# Altium PCB raijel_sim_v1.PcbDoc (part 2 of 2)
Units mm, origin at the board's own origin, x right, y up, seen from the top; angles counter-clockwise.
Board outline 140.34 x 99.31 mm, 2 copper layers (Top Layer, Bottom Layer); 152 components, 86 nets, 419 pads, 382 vias.
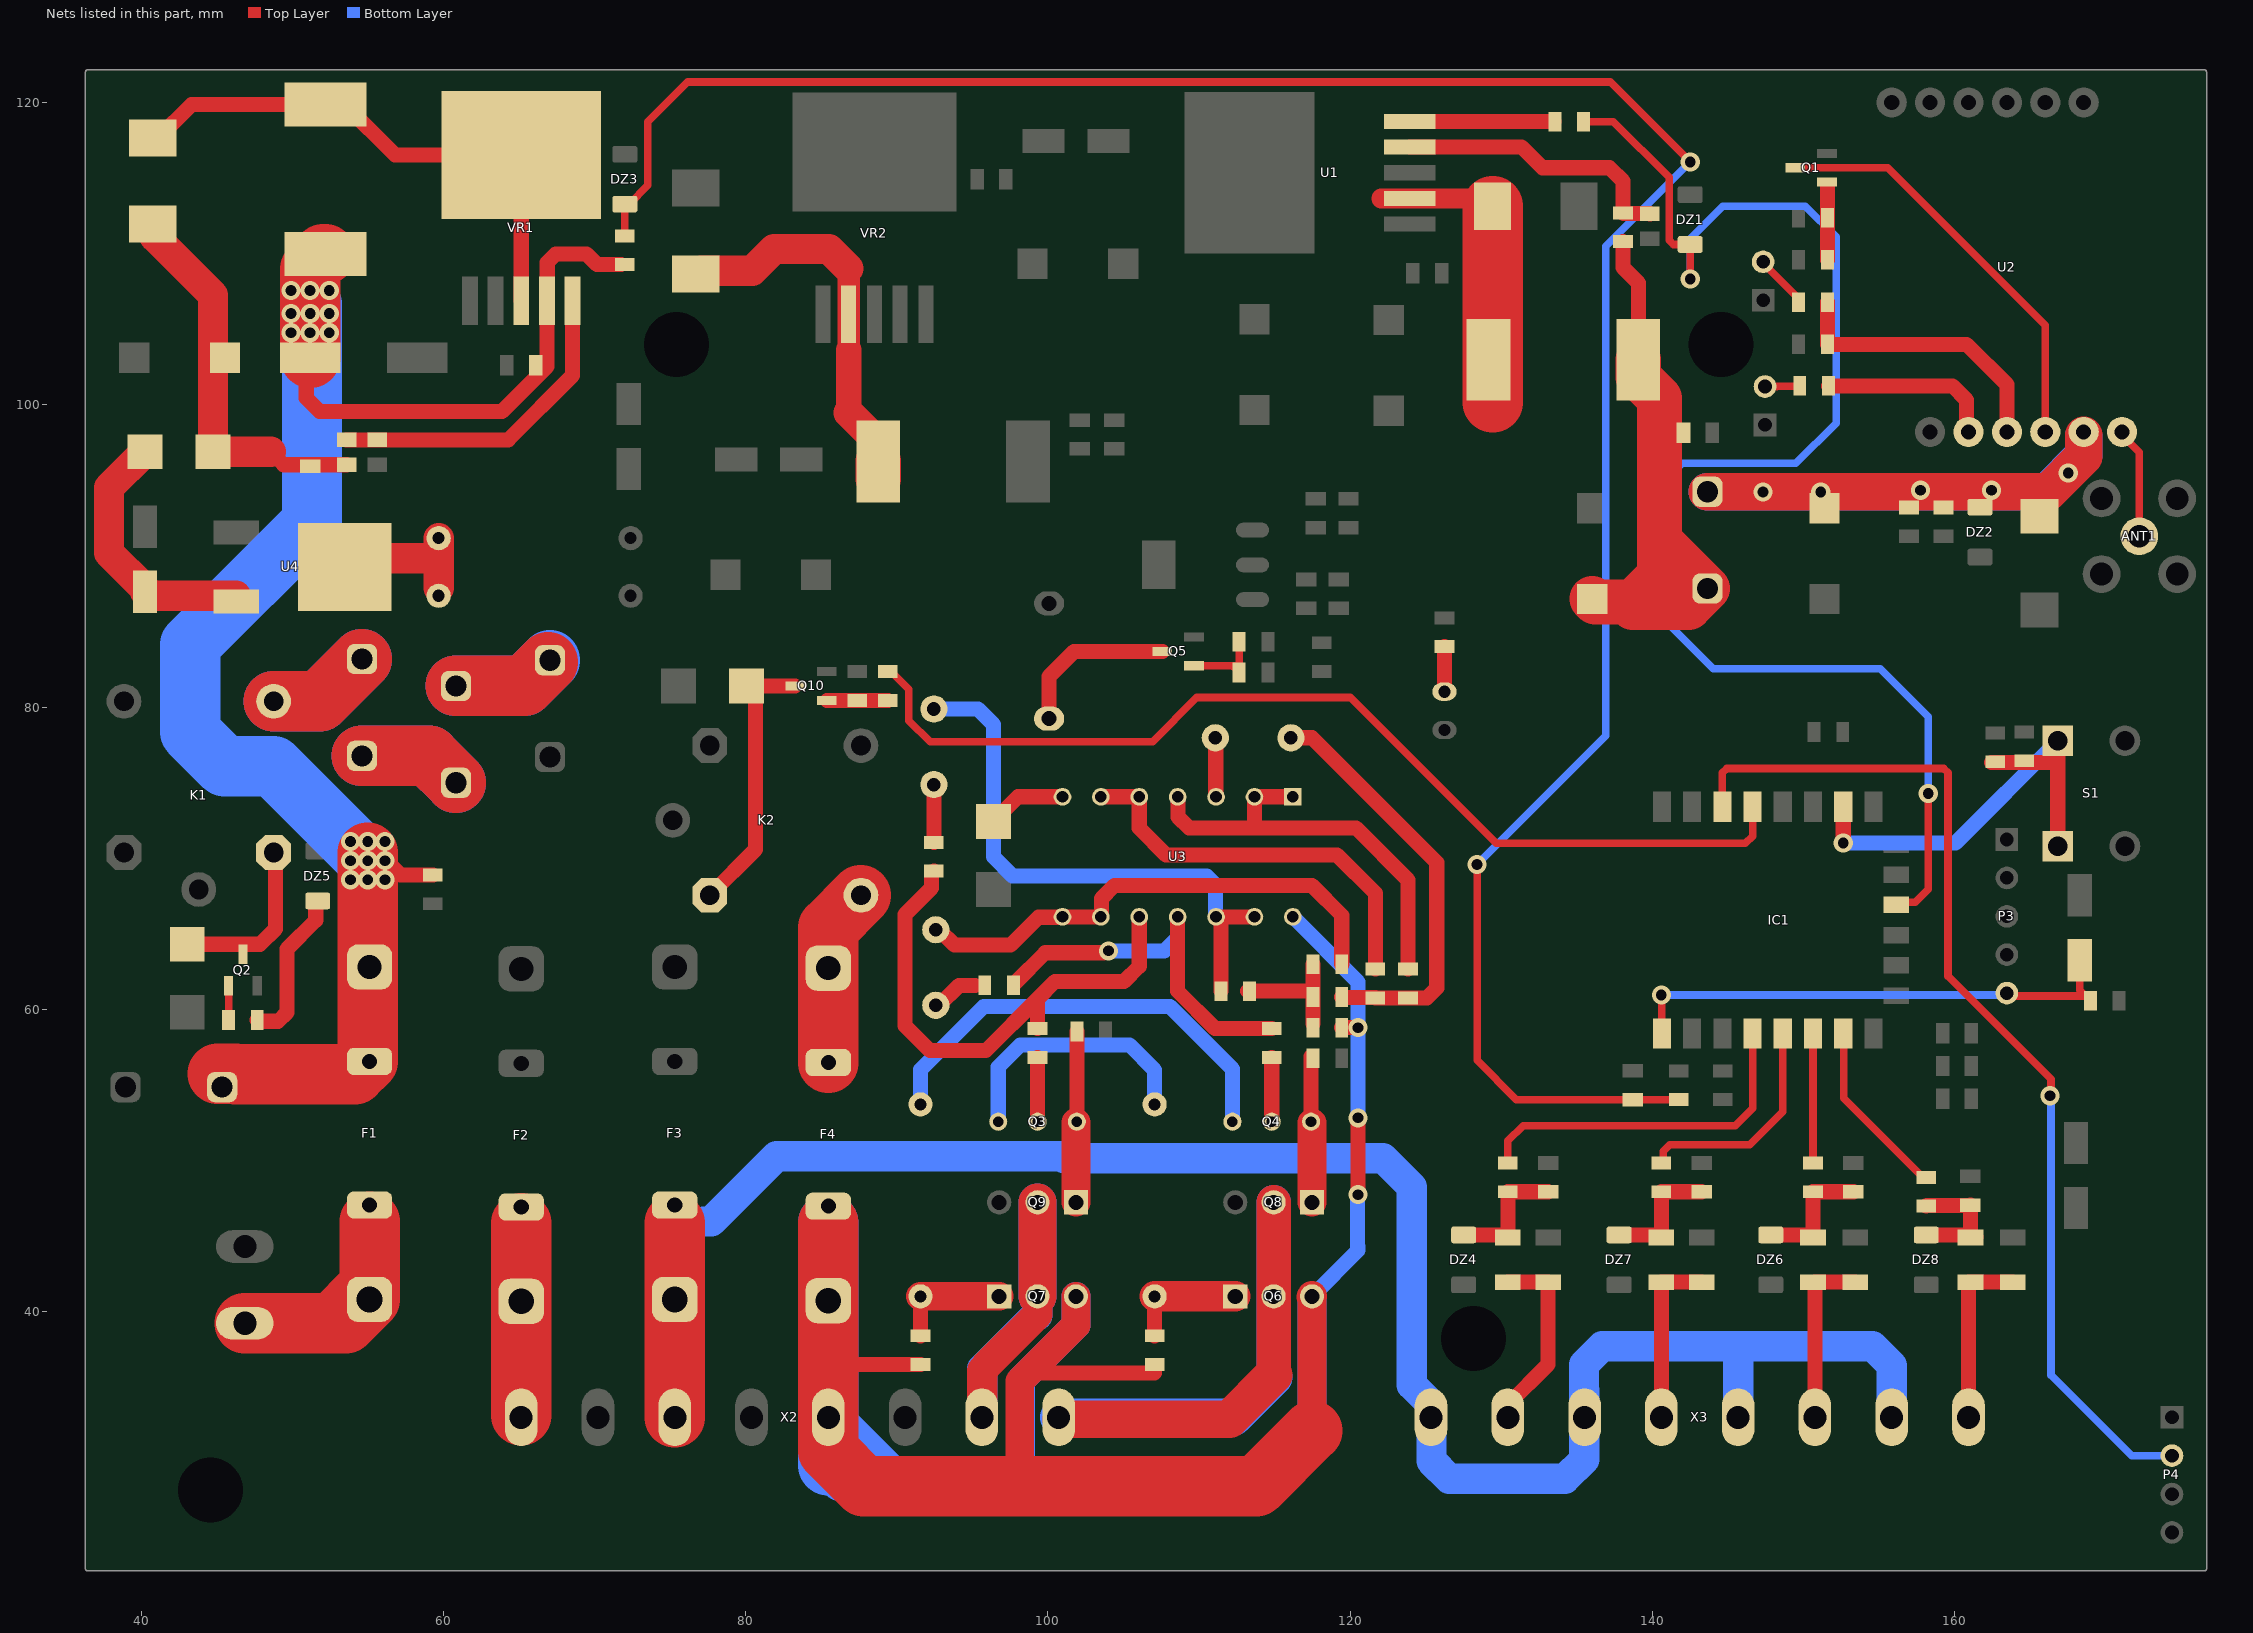
[diagram p2: the nets of this part, all layers, seen from the top]

## Via types
v1: diameter 1.5, hole 0.8, Top Layer to Bottom Layer, tented both sides, 281 vias
v2: diameter 1.27, hole 0.711, Top Layer to Bottom Layer, tented both sides, 101 vias

## Nets (pads, with @x,y where several pads share a name; then routed paths per layer and width w, separated by ;. In a path a pad name is that pad's centre, name@x,y a point inside that pad or via, vN(x,y) a via of type N, cw(c..) or ccw(c..) an arc to the next point about the centre after c; other vN are vias at no path point) (continued)
GPIO10: DZ1.2 IC1.12 R2.1 | length 98.1
  Top Layer w0.5: R2.1@135.443,118.745 137.414,118.745 141.097,115.062 141.097,110.91 141.39,110.617 DZ1.2@142.494,110.618 DZ1.2@142.494,110.618 v2(142.494,108.331) ; IC1.12@156.122,66.92 156.305,67.103 157.4,67.103 158.242,67.945 v2(158.242,74.295)
  Bottom Layer w0.5: v2@142.494,108.13 v2(142.494,108.331) 142.494,110.998 144.653,113.157 150.114,113.157 152.146,111.125 152.146,98.806 149.487,96.147 141.986,96.147 140.589,94.75 140.589,85.979 144.018,82.55 155.067,82.55 158.242,79.375 v2(158.242,74.295)
GPIO15: IC1.16 R7.1 R15.1 S1.1 | length 32.3
  Top Layer w0.5: IC1.16@152.654,72.944 152.654,72.793 152.794,72.933 152.831,73.404 152.831,73.406 IC1.16@152.876,73.988
  Top Layer w1: v2(152.622,71.025) IC1.16@152.622,73.42 ; R15.1@162.433,76.332 166.682,76.332 166.814,76.2 ; S1.1@166.751,70.739 S1.1@166.814,70.802 166.814,76.2 ; S1.1@166.814,77.787 166.814,76.2
  Bottom Layer w1: v2(152.622,71.025) 160.052,71.025 S1.1@166.814,77.787
NetC1_1: C1.1 C2.2 DP1.1 L1.1 R1.1 | length 38.3
  Top Layer w1: R1.1@138.049,110.81 138.049,109.093 139.065,108.077 L1.1@139.065,102.997
  Top Layer w3: C1.1@136.017,87.17 136.219,86.968 138.705,86.968 140.462,88.725 140.462,91.034 ; 138.705,86.614 142.392,86.614 DP1.1@143.637,87.859 140.462,91.034 ; L1.1@139.065,102.997 139.065,101.844 140.462,100.447 140.462,91.034
NetC6_2: C6.2 C7.2 C8.1 C9.1 DP1.2 DZ2.2 U2.2 | length 54.4
  Top Layer w2.5: DP1.2@143.637,94.259 165.623,94.259 166.198,94.259 168.529,96.59 U2.2@168.529,97.989
  Bottom Layer w2.5: DP1.2@143.637,94.259 165.574,94.259 166.141,94.259 168.529,96.647 U2.2@168.529,97.917
  other v2: 147.32,94.234 151.13,94.234 157.734,94.361 162.433,94.361 167.513,95.504
NetC15_1: C15.1 U3.3 | length 3.9
  Top Layer w1: C15.1@111.078,77.978 111.101,77.954 111.101,74.097 U3.3@111.125,74.074
NetC15_2: C15.2 R16.2 R17.2 R20.1 | length 27.9
  Top Layer w1: C15.2@116.078,77.978 117.475,77.978 125.73,69.723 125.73,61.433 125.069,60.772 R16.2@123.825,60.772 R17.2@121.666,60.772 ; R20.1@119.441,60.833 119.471,60.803 R17.2@121.666,60.803
NetC18_2: C18.2 DZ3.2 R18.1 R22.2 | length 160.4
  Top Layer w0.5: R18.1@71.834,111.186 72.009,111.361 DZ3.2@72.009,113.285 72.284,113.285 73.533,114.534 73.533,118.745 76.158,121.37 137.202,121.37 v2(142.494,116.078) ; v2(128.397,69.596) 128.397,56.642 130.998,54.041 C18.2@138.684,54.041 R22.2@141.732,54.041
  Bottom Layer w0.5: v2(128.397,69.596) 136.906,78.105 136.906,110.49 v2(142.494,116.078)
NetC19_1: C19.1 R21.2 U3.8 U3.9 | length 33.7
  Top Layer w1: C19.1@92.583,65.278 92.799,65.278 93.815,64.262 97.536,64.262 99.375,66.101 100.932,66.101 U3.8@100.965,66.134 U3.9@103.505,66.134 103.538,66.167 103.538,67.343 104.394,68.199 117.475,68.199 119.441,66.233 R21.2@119.441,62.992
NetC19_2: C19.2 R30.1 | length 3.2
  Top Layer w1: C19.2@92.583,60.278 92.799,60.278 94.116,61.595 95.189,61.595
NetC20_1: C20.1 R23.2 U3.12 U3.13 | length 38.3
  Top Layer w1: R23.2@111.445,61.214 111.445,65.768 111.125,66.088 U3.12@111.125,66.134 U3.13@113.665,66.134
  Bottom Layer w1: C20.1@92.456,79.883 95.377,79.883 96.393,78.867 96.393,70.104 97.663,68.834 110.507,68.834 111.092,68.248 111.092,66.167 U3.12@111.125,66.134
NetC20_2: C20.2 R31.1 | length 3.8
  Top Layer w1: R31.1@92.456,71.054 C20.2@92.456,74.883
NetC21_2: C21.2 DZ4.2 R24.1 R28.2 | length 8.7
  Top Layer w1: DZ4.2@127.508,45.084 129.929,45.084 130.104,44.909 R24.1@130.429,44.909 R28.2@130.429,47.945 C21.2@133.096,47.945
NetC22_1: C22.1 C23.2 D3.2 D6.1 R26.2 | length 25.4
  Top Layer w1: 48.58,96.901 49.438,96.043 R26.2@53.597,96.043
  Top Layer w2: D3.2@40.513,111.76 40.711,111.958 D3.2@40.767,111.958 ; D3.2@40.894,111.125 44.759,107.26 D6.1@44.759,96.901 48.58,96.901
NetC24_2: C24.2 DZ6.2 R34.1 R37.2 | length 8.6
  Top Layer w1: DZ6.2@147.828,45.084 150.122,45.084 150.297,44.909 R34.1@150.622,44.909 R37.2@150.622,47.945 C24.2@153.289,47.945
NetC25_1: C25.1 D6.2 U4.3 | length 17.5
  Top Layer w2: C25.1@40.259,87.639 C25.1@40.259,87.684 ; D6.2@40.259,96.901 37.876,94.518 37.876,90.222 40.259,87.839 C25.1@40.259,87.684 ; U4.3@46.287,87.377 40.459,87.377 40.459,87.484 C25.1@40.259,87.684
NetC32_2: C32.2 DZ7.2 R46.1 R50.2 | length 8.6
  Top Layer w1: DZ7.2@137.795,45.084 140.089,45.084 140.264,44.909 R46.1@140.589,44.909 R50.2@140.589,47.945 C32.2@143.256,47.945
NetC39_2: C39.2 DZ8.2 R51.1 R53.2 | length 8.1
  Top Layer w1: DZ8.2@158.115,45.084 R51.1@161.036,45.084 ; R53.2@158.115,46.995 158.146,47.026 161.005,47.026 C39.2@161.036,47.056 ; C39.2@161.036,46.736 R51.1@161.036,45.084 ; R51.1@161.417,44.958 161.368,44.909 161.061,44.909 161.036,44.934 R51.1@161.036,45.084
NetD1_2: D1.2 L1.2 U1.2 | length 20.8
  Top Layer w1: L1.2@129.159,102.997 L1.2@129.294,103.132
  Top Layer w1.3: 122.047,113.665 U1.2@123.952,113.665 D1.2@128.953,113.665
  Top Layer w1.5: D1.2@128.953,113.665 129.428,113.19 D1.2@129.428,113.157
  Top Layer w4: 129.428,100.188 D1.2@129.428,113.157
NetD2_1: D2.1 R5.2 | length 3
  Top Layer w1: D2.1@126.238,81.026 R5.2@126.238,84.013
NetD3_1: D3.1 L2.2 VR1.3 VR1.6 | length 36.4
  Top Layer w1: D3.1@40.706,117.719 D3.1@40.767,117.719 ; D3.1@40.767,117.658 41.117,117.658 43.347,119.888 L2.2@52.197,119.888 53.454,119.888 56.812,116.53 VR1.6@65.151,116.53 VR1.3@65.151,106.9
NetD4_1: D4.1 U3.7 | length 5.2
  Top Layer w1: D4.1@96.393,72.445 98.022,74.074 U3.7@100.965,74.074
NetD5_1: D5.1 K1.5 Q2.3 | length 11.4
  Top Layer w1: D5.1@43.053,64.317 43.561,64.317 47.878,64.317 48.895,65.334 48.895,70.264 K1.5@48.768,70.391
NetD7_1: D7.1 K2.5 Q10.3 | length 18.5
  Top Layer w1: K2.5@77.63,67.564 80.645,70.579 80.645,80.827 D7.1@80.065,81.407 Q10.3@83.278,81.407
NetD8_2: D8.2 L3.2 VR2.2 | length 25.9
  Top Layer w1.5: 86.814,109.02 86.814,106.381 86.819,106.376 86.819,103.632
  Top Layer w1.7: 86.819,99.477 86.819,103.632
  Top Layer w2: D8.2@76.835,108.656 77.06,108.881 80.436,108.881 81.87,110.315 85.519,110.315 86.814,109.02 ; 86.819,99.477 88.773,97.523 L3.2@88.773,96.266
  Top Layer w3: L3.2@88.773,95.113 L3.2@88.773,96.266
NetDP3_2: DP3.2 DP4.1 | length 13.7
  Top Layer w4: DP4.1@60.833,81.407 65.355,81.407 DP3.2@66.923,82.975
  Bottom Layer w4: DP4.1@60.833,81.407 65.355,81.407 DP3.2@67.056,83.108
NetDP4_2: DP4.2 DP5.1 | length 13.9
  Top Layer w4: DP5.1@54.61,76.785 59.055,76.785 DP4.2@60.833,75.007
  Bottom Layer w4: DP5.1@54.61,76.785 59.055,76.785 DP4.2@60.833,75.007
NetDP5_2: DP5.2 K1.3 | length 14
  Top Layer w4: K1.3@48.768,80.391 51.816,80.391 DP5.2@54.61,83.185
  Bottom Layer w4: K1.3@48.768,80.391 51.816,80.391 DP5.2@54.61,83.185
NetDZ5_1: DZ5.1 R27.2 | length 10.5
  Top Layer w1: R27.2@47.686,59.309 47.686,59.301 47.761,59.226 49.071,59.226 49.657,59.812 49.657,64.008 51.553,65.904 51.553,67.134 51.603,67.184 DZ5.1@51.689,67.184
NetF1_2: F1.2 X1.2 | length 17.4
  Top Layer w4: X1.2@46.863,39.243 52.648,39.243 ; F1.2@54.991,41.586 52.648,39.243 ; 55.118,45.974 F1.2@55.118,40.816 53.545,39.243 52.648,39.243
NetF2_2: F2.2 X2.1 | length 12.7
  Top Layer w4: X2.1@65.151,33.147 F2.2@65.151,40.689 65.151,45.847
NetQ1_1: Q1.1 R4.1 R6.1 | length 4.8
  Top Layer w1: R6.1@151.572,109.601 R4.1@151.572,112.395 151.572,114.361
NetQ1_3: Q1.3 U2.3 | length 27.9
  Top Layer w0.5: Q1.3@149.445,115.697 155.575,115.697 165.989,105.283 U2.3@165.989,98.215
NetQ2_1: Q2.1 R27.1 | length 2.7
  Top Layer w0.5: Q2.1@45.786,61.561 R27.1@45.786,59.309 45.786,58.989 R27.1@45.847,58.928
NetQ3_1: Q3.1 R41.2 | length 17.7
  Top Layer w1: R41.2@106.946,53.836 R41.2@107.061,53.721
  Bottom Layer w1: Q3.1@96.714,52.578 96.714,56.201 98.171,57.658 105.41,57.658 107.061,56.007 R41.2@107.061,53.721
NetQ3_2: Q3.2 R38.2 | length 4.3
  Top Layer w1: Q3.2@99.314,52.578 R38.2@99.314,56.835
NetQ3_3: Q3.3 Q9.1 R48.2 | length 11.2
  Top Layer w1: Q3.3@101.914,52.578 101.917,52.581 101.917,58.544 R48.2@101.92,58.547
  Top Layer w1.9: Q9.1@101.854,47.244 Q3.3@101.854,52.518
NetQ4_1: Q4.1 R42.2 | length 29.9
  Bottom Layer w1: R42.2@91.567,53.721 91.581,53.735 91.581,56.021 95.758,60.198 108.077,60.198 112.208,56.067 Q4.1@112.208,52.578
NetQ4_2: Q4.2 R39.2 | length 4.3
  Top Layer w1: Q4.2@114.808,52.578 R39.2@114.808,56.835
NetQ4_3: Q4.3 Q8.1 R49.1 | length 9.6
  Top Layer w1: Q4.3@117.408,52.578 117.411,52.581 117.411,56.893 R49.1@117.414,56.896
  Top Layer w1.9: Q8.1@117.475,47.244 Q4.3@117.475,52.511
NetQ5_1: Q5.1 R40.1 R45.2 | length 5.4
  Top Layer w0.5: Q5.1@109.669,82.743 112.207,82.743 ; R45.2@112.654,84.328 R40.1@112.654,82.521 ; R40.1@112.687,82.329 R40.1@112.654,82.296 R40.1@112.654,82.521 ; 112.207,82.743 112.432,82.743 R40.1@112.479,82.696 ; 112.207,82.743 112.254,82.696 R40.1@112.479,82.696 ; R40.1@112.479,82.696 R40.1@112.654,82.521
NetQ5_3: Q5.3 SP1.2 | length 11
  Top Layer w1: SP1.2@100.076,79.248 100.076,82.042 101.727,83.693 Q5.3@107.569,83.693
NetQ6_1: Q6.1 R41.1 R43.1 | length 7.9
  Top Layer w1: R43.1@107.061,38.415 R41.1@107.061,41.021
  Top Layer w2: R41.1@107.061,41.021 Q6.1@112.395,41.021
NetQ7_1: Q7.1 R42.1 R44.2 | length 7.8
  Top Layer w1: R44.2@91.567,38.415 R42.1@91.567,41.021
  Top Layer w1.9: R42.1@91.567,41.021 Q7.1@96.774,41.021
NetQ10_1: Q10.1 R54.1 R55.2 | length 4
  Top Layer w1: Q10.1@85.378,80.457 R55.2@87.376,80.457 R54.1@89.408,80.457
NetR1_2: R1.2 R3.2 U1.4 | length 18.9
  Top Layer w1: U1.4@123.952,117.065 131.347,117.065 132.715,115.697 137.16,115.697 138.049,114.808 R1.2@138.049,112.71 138.086,112.673 139.802,112.673 R3.2@139.827,112.648
NetR2_2: R2.2 U1.5 | length 9.5
  Top Layer w1: U1.5@123.952,118.765 R2.2@133.471,118.765
NetR8_2: R8.2 R10.1 U2.4 | length 18.9
  Top Layer w1: R8.2@151.572,106.807 R10.1@151.572,104.013 160.782,104.013 163.449,101.346 U2.4@163.449,98.215
NetR9_2: R9.2 U2.5 | length 11.7
  Top Layer w1: R9.2@151.641,101.266 159.846,101.266 160.782,100.33 160.782,98.342 U2.5@160.909,98.215
NetR16_1: R16.1 U3.1 U3.2 U3.4 | length 28.8
  Top Layer w1: U3.4@108.585,74.074 108.618,74.041 108.618,72.738 109.347,72.009 120.396,72.009 123.825,68.58 R16.1@123.825,62.672 ; 113.665,72.009 U3.2@113.665,74.074 U3.1@116.205,74.074
NetR17_1: R17.1 U3.5 U3.6 | length 27
  Top Layer w1: U3.6@103.505,74.074 U3.5@106.045,74.074 106.045,72.009 107.823,70.231 119.126,70.231 121.666,67.691 R17.1@121.666,62.672
NetR20_2: R20.2 R21.1 R23.1 R29.2 | length 8
  Top Layer w1: R23.1@113.215,61.214 R23.1@113.345,61.214 R20.2@117.232,61.214 ; R29.2@117.541,59.055 R21.1@117.541,62.992
NetR26_1: R26.1 R32.2 VR1.5 | length 21.7
  Top Layer w1: R26.1@53.597,97.693 R32.2@55.629,97.694 ; R32.2@55.629,97.694 64.293,97.694 68.551,101.952 VR1.5@68.551,106.9
NetR30_2: R30.2 R39.1 U3.11 | length 25.6
  Top Layer w1: R30.2@97.813,61.745 99.822,63.754 103.695,63.754 103.77,63.829 103.961,63.829 v2(104.013,63.881) ; U3.11@108.585,66.134 108.585,61.214 111.064,58.735 R39.1@114.808,58.735
  Bottom Layer w1: v2(104.013,63.881) 107.696,63.881 108.585,64.77 U3.11@108.585,66.134
NetR31_2: R31.2 R38.1 U3.10 | length 34.8
  Top Layer w1: R31.2@92.456,69.154 92.381,69.079 92.306,69.079 92.306,68.049 90.551,66.294 90.551,58.928 92.202,57.277 95.885,57.277 99.314,60.706 ; R38.1@99.314,58.735 99.314,60.706 ; U3.10@106.045,66.134 106.045,62.865 105.029,61.849 100.457,61.849 99.314,60.706
NetR33_1: R33.1 R36.1 U4.2 | length 9.6
  Top Layer w2: U4.2@53.467,89.662 53.657,89.852 59.69,89.852 ; R33.1@59.69,87.884 59.69,89.852 ; R36.1@59.69,91.186 59.69,89.852
POWER_IN: C16.1 C17.2 DP2.1 F1.1 L2.1 R18.2 R19.1 VR1.4 | length 114.6
  Top Layer w1: C16.1@51.187,103.124 50.927,102.864 50.927,100.457 51.816,99.568 63.881,99.568 66.851,102.538 VR1.4@66.851,106.07 ; v2(56.134,69.85) 56.204,69.85 57.159,68.895 R19.1@59.309,68.895 ; VR1.4@66.876,106.045 VR1.4@66.851,106.07 ; R18.2@71.755,109.286 70.165,109.286 69.469,109.982 67.437,109.982 66.876,109.421 66.876,106.925 VR1.4@66.851,106.9 VR1.4@66.851,106.07
  Top Layer w4: DP2.1@45.085,55.753 46.253,55.753 46.218,55.718 54.137,55.718 54.991,56.572 54.991,62.816 v2(54.991,68.58) v2(54.991,69.85) v2@54.991,70.358 ; C16.1@51.187,103.124 v2(51.187,106.048) 51.187,108.972 51.492,109.277 51.492,109.43 52.044,109.982 L2.1@52.197,109.982
  Bottom Layer w4: 51.308,106.68 51.308,92.202 43.241,84.135 43.241,78.373 45.523,76.091 48.75,76.091 v2(54.991,69.85)
  other v2: 53.848,68.58 56.134,68.58 53.848,69.85 53.848,71.12 54.991,71.12 56.134,71.12 49.911,104.775 51.181,104.775 52.451,104.775 49.911,106.045 52.451,106.045 49.911,107.569 51.181,107.569 52.451,107.569
RELAY: IC1.19 R54.2 | length 67.7
  Top Layer w0.5: R54.2@89.408,82.357 89.633,82.357 90.805,81.185 90.805,79.121 92.202,77.724 106.934,77.724 109.855,80.645 120.015,80.645 129.667,70.993 146.149,70.993 146.622,71.466 IC1.19@146.622,73.42
RF: IC1.20 P4.2 | length 70.3
  Top Layer w0.5: IC1.20@144.622,73.42 144.622,75.653 144.915,75.946 159.261,75.946 159.554,75.653 159.554,62.188 166.37,55.372 166.37,54.371 v2(166.299,54.3)
  Bottom Layer w0.5: v2(166.299,54.3) 166.37,54.229 166.37,35.814 171.704,30.48 P4.2@174.371,30.48
RST: C13.1 IC1.1 P3.5 R12.1 | length 33.9
  Top Layer w0.5: IC1.1@140.622,58.42 v2@140.622,60.419 ; P3.5@163.449,61.087 163.64,60.896 168.801,60.896 R12.1@168.912,60.784 ; C13.1@168.275,63.255 168.275,61.272 168.568,60.979 168.801,60.979 168.912,60.868 R12.1@168.912,60.784 ; R12.1@168.801,60.579 168.912,60.691 R12.1@168.912,60.784 ; R12.1@168.976,60.579 168.976,60.721 R12.1@168.912,60.784
  Bottom Layer w0.5: v2(140.589,60.96) 163.322,60.96 P3.5@163.449,61.087
RX: P2.2 R9.1 | length 1.6
  Top Layer w0.5: 148.209,101.219 148.233,101.243 149.718,101.243 R9.1@149.741,101.266
SIM800L_ANT: ANT1.1 U2.1 | length 6.2
  Top Layer w0.5: U2.1@171.069,98.215 171.069,98.026 172.212,96.883 ANT1.1@172.212,92.456
SIR: F4.1 K2.3 | length 12
  Top Layer w4: F4.1@85.471,56.49 F4.1@85.471,62.74 85.471,65.405 K2.3@87.63,67.564
SIR_12V: F4.2 Q6.3 Q7.3 R29.1 R43.2 R44.1 U3.14 X2.5 | length 200.3
  Top Layer w1: 85.471,36.83 85.786,36.515 R44.1@91.567,36.515 ; 98.996,36.258 99.309,35.946 107.061,35.946 ; R29.1@119.441,58.801 v2(120.523,58.801) ; v2(120.523,47.752) v2(120.523,52.832)
  Top Layer w1.9: 98.552,28.448 98.135,28.865 98.135,35.397 101.854,39.116 Q7.3@101.854,41.021 ; 117.475,32.131 Q6.3@117.475,41.021
  Top Layer w2: Q6.3@117.439,40.985 Q6.3@117.475,41.021
  Top Layer w4: 85.471,35.814 X2.5@85.471,33.02 ; 85.471,45.847 F4.2@85.471,40.74 X2.5@85.471,33.02 ; 117.475,32.131 113.792,28.448 98.552,28.448 87.814,28.448 85.471,30.791 X2.5@85.471,33.02
  Bottom Layer w1: U3.14@116.205,66.134 120.523,61.816 v2(120.523,52.832) ; Q6.3@117.475,41.021 120.523,44.069 120.523,44.314 120.479,44.358 120.479,47.835 v2@120.523,47.879
  Bottom Layer w1.9: 98.207,29.019 98.207,35.469 101.854,39.116 Q7.3@101.854,41.021 ; 117.475,32.258 Q6.3@117.475,41.021
  Bottom Layer w2: 98.207,28.956 98.207,29.019
  Bottom Layer w3: X2.5@85.217,32.766 85.217,30.099 85.471,29.845 86.36,28.956 98.207,28.956 114.173,28.956 117.475,32.258 ; X2.5@85.471,33.02 85.486,33.02 89.55,28.956
  Bottom Layer w4: 85.471,29.845 X2.5@85.471,33.02 F4.2@85.471,40.74 85.471,45.847
SRN+: Q7.2 Q9.2 X2.7 | length 38.5
  Top Layer w1.9: 95.661,36.111 99.028,39.478
  Top Layer w2: X2.7@95.631,33.02 95.661,33.05 95.661,36.111 95.835,36.285 95.835,36.35 99.314,39.829 Q7.2@99.314,41.021 99.314,41.148 Q7.2@99.441,41.275
  Top Layer w2.5: Q7.2@99.314,41.021 Q9.2@99.314,47.244
  Bottom Layer w2: X2.7@95.631,33.02 95.661,33.05 95.661,36.111 95.661,36.225 99.2,39.764 99.314,39.764 Q7.2@99.314,41.021
  Bottom Layer w2.5: 99.314,42.926 Q7.2@99.314,41.021 Q9.2@99.314,47.244
SRN-: Q6.2 Q8.2 X2.8 | length 58.7
  Top Layer w2.3: 114.935,35.814 Q6.2@114.935,41.021 Q8.2@114.935,47.244
  Top Layer w2.5: X2.8@100.882,32.893 106.045,32.893 ; 103.886,32.893 106.045,32.893 ; 114.935,35.814 112.014,32.893 106.045,32.893
  Bottom Layer w2.3: 114.935,35.687 Q6.2@114.935,41.021 Q8.2@114.935,47.244
  Bottom Layer w2.5: X2.8@100.711,33.02 106.172,33.02 ; 103.251,33.02 106.172,33.02 ; 114.935,35.687 112.268,33.02 106.172,33.02
TX: P1.2 R8.1 | length 3.6
  Top Layer w0.5: P1.2@147.32,109.474 147.32,109.384 149.672,107.032 R8.1@149.672,106.807
Z1: R24.2 R25.1 X3.2 | length 12.9
  Top Layer w1: X3.2@130.302,33.528 X3.2@130.429,33.401 ; X3.2@130.429,33.02 X3.2@130.429,33.401 ; R24.2@130.429,41.959 R25.1@133.096,41.959 133.096,36.512 130.429,33.846 X3.2@130.429,33.401
Z1+: F3.2 X2.3 X3.1 X3.3 X3.5 X3.7 | length 128
  Top Layer w4: X2.3@75.311,33.02 F3.2@75.311,40.816 75.311,45.847
  Bottom Layer w2: 77.216,45.974 77.724,45.974 82.042,50.292 100.965,50.292 101.092,50.165 122.174,50.165 124.079,48.26 124.079,35.159 125.349,33.889 X3.1@125.349,33.02 125.379,32.99 125.379,30.128 126.551,28.956 134.21,28.956 135.479,30.224 135.479,32.99 X3.3@135.509,33.02 135.479,33.05 135.479,34.818 135.477,34.82 135.477,36.518 136.677,37.719 145.923,37.719 ; X3.5@145.669,33.02 145.669,37.465 145.923,37.719 ; X3.7@155.829,33.02 155.829,36.449 154.559,37.719 145.923,37.719
  Bottom Layer w3: X2.3@75.311,33.02 X2.3@75.327,33.02
Z1_PIN: IC1.4 R28.1 | length 23.5
  Top Layer w0.5: R28.1@130.429,49.845 130.429,51.308 131.445,52.324 145.479,52.324 146.622,53.467 IC1.4@146.622,58.42
Z2: R46.2 R47.1 X3.4 | length 11.6
  Top Layer w1: X3.4@140.589,33.02 R46.2@140.589,41.959 R47.1@143.256,41.959
Z2_PIN: IC1.5 R50.1 | length 15
  Top Layer w0.5: R50.1@140.589,49.845 140.716,49.972 140.716,50.621 141.149,51.054 146.431,51.054 148.622,53.245 IC1.5@148.622,58.42
Z3: R34.2 R35.1 X3.6 | length 11.6
  Top Layer w1: X3.6@150.749,33.02 150.749,41.959 R35.1@153.416,41.959
Z3_PIN: IC1.6 R37.1 | length 8.6
  Top Layer w0.5: R37.1@150.622,49.845 IC1.6@150.622,58.42
Z4: R51.2 R52.1 X3.8 | length 11.8
  Top Layer w1: X3.8@160.909,33.02 160.909,41.934 160.934,41.959 R51.2@161.036,41.959 R52.1@163.83,41.959
Z4_PIN: IC1.7 R53.1 | length 11.9
  Top Layer w0.5: IC1.7@152.622,58.42 152.654,58.388 152.654,54.131 157.89,48.895 R53.1@158.115,48.895
pads on no net: DZ1.0 DZ2.0 DZ3.0 DZ4.0 DZ5.0 DZ6.0 DZ7.0 DZ8.0 IC1.9 IC1.10 IC1.11 IC1.13 IC1.14 K1.2 K2.2 P4.3 U2.7 U2.8 U2.9 U2.10 U2.11 U2.12 VR1.2

## Polygon pours and split planes (outlines as drawn)
GND on Top Layer "GND_L01_P091" (solid, remove dead copper, pour order 91): 176.53,122.047 176.53,22.987 36.449,22.987 36.449,122.047
POWER_IN on Top Layer "POWER_IN_L01_P078" (solid, remove dead copper, pour order 78): 66.026,108.554 66.057,108.585 68.072,108.585 68.072,102.108 64.389,98.425 50.673,98.425 48.514,100.584 48.514,112.268 55.372,112.268 55.372,100.838 63.881,100.838 65.913,102.87
+12V on Top Layer "+12V_L01_P077" (solid, remove dead copper, pour order 77): 119.507,112.395 125.857,112.395 125.857,110.363 125.095,109.601 125.095,103.632 109.855,103.632 109.982,103.759 109.982,108.585 119.507,108.585
NetC25_1 on Top Layer "NETC25_1_L01_P075" (solid, remove dead copper, pour order 75): 36.449,98.552 42.164,98.552 42.164,94.869 41.148,94.869 40.259,93.98 40.259,90.043 41.402,88.9 47.371,88.9 48.768,87.503 48.768,85.217 47.752,84.201 36.449,84.201
NetC22_1 on Top Layer "NETC22_1_L01_P073" (solid, remove dead copper, pour order 73): 37.465,113.919 44.831,113.919 48.26,110.49 48.26,95.758 46.99,94.488 43.053,94.488 43.053,105.664 40.894,107.823 37.465,107.823
NetC22_1 on Top Layer "NETC22_1_L01_P071" (solid, remove dead copper, pour order 71): 36.83,114.173
NetC1_1 on Top Layer "NETC1_1_L01_P068" (solid, remove dead copper, pour order 68): 136.017,106.299 136.144,106.426 142.367,106.426 142.367,93.345 146.05,89.662 146.05,84.582 133.731,84.582 132.969,83.82 132.588,84.201 132.588,89.027 137.16,89.027 138.684,90.551 138.684,98.298 136.017,98.298
NetD1_2 on Top Layer "NETD1_2_L01_P067" (solid, remove dead copper, pour order 67): 119.507,115.062 131.318,115.062 132.842,113.538 132.842,96.901 127.381,96.901 126.238,98.044 126.238,112.014 119.634,112.014 119.507,111.887
NetD8_2 on Top Layer "NETD8_2_L01_P064" (solid, remove dead copper, pour order 64): 74.168,111.76 74.295,111.633 88.265,111.633 88.265,102.235 91.694,98.806 91.694,92.202 85.852,92.202 85.471,92.583 85.471,107.266 84.333,108.404 82.736,106.807 74.168,106.807
NetD3_1 on Top Layer "NETD3_1_L01_P063" (solid, remove dead copper, pour order 63): 70.612,121.92 70.612,111.633 67.056,111.633 66.026,110.603 66.026,104.995 64.609,104.995 64.516,104.902 64.008,105.41 64.008,110.363 63.881,110.363 62.611,111.633 59.309,111.633 54.991,115.951 54.737,115.697 36.576,115.697 36.576,121.92 36.449,122.047
SIR_12V on Top Layer "SIR_12V_L01_P062" (solid, remove dead copper, pour order 62): 82.677,30.226 84.582,28.321 86.36,28.321 85.09,29.591 85.09,30.861
SIR_12V on Top Layer "SIR_12V_L01_P060" (solid, remove dead copper, pour order 60): 82.677,47.752 89.408,47.752 89.408,38.1 88.392,37.084 88.392,30.226 82.677,30.226
SIR on Top Layer "SIR_L01_P058" (solid, remove dead copper, pour order 58): 90.424,70.104 82.55,70.104 81.661,69.215 81.661,54.356 82.296,53.721 90.424,53.721
Z1+ on Top Layer "Z1+_L01_P055" (solid, remove dead copper, pour order 55): 70.104,47.827 70.179,47.752 80.645,47.752 80.645,37.846 79.629,37.846 77.978,36.195 77.978,30.988 73.025,30.988 73.025,35.814 71.247,37.592 70.104,37.592
NetF2_2 on Top Layer "NETF2_2_L01_P054" (solid, remove dead copper, pour order 54): 70.104,47.827
NetF2_2 on Top Layer "NETF2_2_L01_P053" (solid, remove dead copper, pour order 53): 60.325,47.752 60.452,47.879 70.104,47.879 70.104,37.211 69.342,37.211 67.437,35.306 67.437,30.988 62.738,30.988 62.738,35.179 60.706,37.211 60.325,37.211
POWER_IN on Top Layer "POWER_IN_L01_P048" (solid, remove dead copper, pour order 48): 59.69,64.516 59.69,56.261 54.483,51.054 54.356,51.181 41.529,51.181 41.529,56.642 44.704,59.817 45.339,59.817 45.339,58.674 45.593,58.42 49.53,58.42 50.8,59.69 50.8,64.389
POWER_IN on Top Layer "POWER_IN_L01_P047" (solid, remove dead copper, pour order 47): 60.706,62.738
NetF1_2 on Top Layer "NETF1_2_L01_P044" (solid, remove dead copper, pour order 44): 51.181,48.133 51.181,42.672 50.8,42.291 42.164,42.291 42.164,37.338 45.212,34.29 58.166,34.29 59.944,36.068 59.944,48.133
BATTRY on Top Layer "BATTRY_L01_P040" (solid, remove dead copper, pour order 40): 64.135,79.502 73.406,79.502 73.406,58.42 68.707,53.721 61.976,53.721 61.976,79.375 62.23,79.629
+12V on Top Layer "+12V_L01_P033" (solid, remove dead copper, pour order 33): 69.215,56.642 43.307,56.642 43.307,64.897 46.609,68.199 46.609,72.644 37.592,72.644 36.322,71.374 36.322,48.133 69.342,48.133
+12V on Top Layer "+12V_L01_P032" (solid, remove dead copper, pour order 32): 85.914,108.571 85.979,108.506 85.979,100.711 84.963,100.711 81.28,97.028 81.28,85.725 78.613,83.058 80.01,81.661 80.01,72.009 76.962,68.961 78.613,67.31 78.613,54.61 72.136,48.133 69.088,48.133 69.088,74.422 73.152,78.486 73.152,97.536 80.137,104.521 80.137,108.458
NetC6_2 on Top Layer "NETC6_2_L01_P021" (solid, remove dead copper, pour order 21): 165.227,94.742
NetC1_1 on Top Layer "NETC1_1_L01_P017" (solid, remove dead copper, pour order 17): 38.227,121.666
+5V on Top Layer "netd1_2" (solid, remove dead copper, pour order 5): 70.358,120.65
GND on Bottom Layer "GND_L02_P090" (solid, remove dead copper, pour order 90): 36.449,122.047 176.149,122.047 176.53,122.428 176.53,22.987 36.449,22.987
GND on Bottom Layer "GND_L02_P087" (solid, remove dead copper, pour order 87): 176.53,122.428
+12V on Bottom Layer "+12V_L02_P082" (solid, remove dead copper, pour order 82): 81.407,88.011 81.407,85.852 79.756,84.201 79.756,71.755 78.359,70.358 78.359,54.356 72.136,48.133 36.957,48.133 36.957,72.009 37.719,72.771 37.846,72.644 46.609,72.644 46.609,68.199 43.561,65.151 43.561,54.61 43.434,54.483 43.942,53.975 55.88,53.975 58.674,56.769 58.801,56.642 69.088,56.642 69.088,74.041 68.961,74.168 73.533,78.74 73.533,88.646 73.152,89.027
+12V on Bottom Layer "+12V_L02_P081" (solid, remove dead copper, pour order 81): 82.423,88.265
SIR_12V on Bottom Layer "SIR_12V_L02_P061" (solid, remove dead copper, pour order 61): 82.677,30.226 84.582,28.321 86.36,28.321 86.36,30.48 86.106,30.734
SIR_12V on Bottom Layer "SIR_12V_L02_P059" (solid, remove dead copper, pour order 59): 89.408,47.752 89.408,38.227 88.392,37.211 88.392,30.226 82.677,30.226 82.677,47.752
SIR on Bottom Layer "SIR_L02_P057" (solid, remove dead copper, pour order 57): 82.55,70.104 90.424,70.104 90.424,53.721 82.296,53.721 81.534,54.483 81.534,69.215
Z1+ on Bottom Layer "Z1+_L02_P056" (solid, remove dead copper, pour order 56): 70.485,47.752 80.645,47.752 80.645,37.846 79.629,37.846 77.978,36.195 77.978,30.988 73.025,30.988 73.025,35.814 71.247,37.592 70.485,37.592
NetF2_2 on Bottom Layer "NETF2_2_L02_P052" (solid, remove dead copper, pour order 52): 59.944,48.26 70.104,48.26 70.104,37.211 69.342,37.211 67.437,35.306 67.437,30.988 62.738,30.988 62.738,35.306 60.833,37.211 60.071,37.211
BATTRY on Bottom Layer "BATTRY_L02_P051" (solid, remove dead copper, pour order 51): 68.58,79.248 68.834,78.994 68.834,56.388 66.929,54.483 66.548,54.864 61.976,54.864 61.976,79.121
NetF1_2 on Bottom Layer "NETF1_2_L02_P045" (solid, remove dead copper, pour order 45): 59.944,47.879 59.944,36.195 58.039,34.29 45.212,34.29 42.164,37.338 42.164,42.291 50.8,42.291 51.308,42.799 51.308,47.879
POWER_IN on Bottom Layer "POWER_IN_L02_P042" (solid, remove dead copper, pour order 42): 59.69,64.516 59.69,54.737 57.912,54.737 54.356,51.181 52.705,52.832 42.926,52.832 42.926,59.69 43.053,59.817 50.8,59.817 50.8,64.516
+12V on Bottom Layer "+12V_L02_P039" (solid, remove dead copper, pour order 39): 122.047,102.489 86.741,102.489 81.28,97.028 81.407,96.901 81.407,86.868 74.803,86.868 73.152,88.519 73.152,97.028 85.598,109.474 122.047,109.474
+12V on Bottom Layer "+12V_L02_P037" (solid, remove dead copper, pour order 37): 81.026,97.028

## Keep-outs
Keep-Out Layer:
  pour cut-out: 152.215,114.474
  lines w0.254: 36.449,22.987 36.449,122.047 176.53,122.047 176.53,22.987 36.449,22.987

## Silkscreen, mask and mechanical layers (free items; w line width, h text height)
Top Overlay:
  rectangle: 105.156,22.987 110.744,27.051
  rectangle: 55.245,23.114 60.833,27.178
  rectangle: 140.335,117.856 151.257,121.92
  rectangle: 71.247,117.856 82.169,121.92

## Text inside footprints (layer, text, board x,y; h text height)
K1: Top Overlay "NC" at 39.094,77.161 h0.5; Top Overlay "NO" at 45.825,77.11 h0.5; Top Overlay "COM" at 41.786,69.719 h0.5
K2: Top Overlay "COM" at 76.958,74.546 h0.5 r270; Top Overlay "NO" at 84.349,70.507 h0.5 r270; Top Overlay "NC" at 84.4,77.238 h0.5 r270
P3: Top Overlay "1" at 161.513,70.739 h0.5; Top Overlay "1" at 161.513,70.739 h0.5; Top Overlay "2" at 161.085,68.199 h0.5; Top Overlay "3" at 161.085,65.659 h0.5; Top Overlay "4" at 161.037,63.119 h0.5; Top Overlay "5" at 161.085,60.579 h0.5
P4: Top Overlay "4" at 171.959,24.892 h0.5; Top Overlay "3" at 172.007,27.432 h0.5; Top Overlay "2" at 172.007,29.972 h0.5; Top Overlay "1" at 172.435,32.512 h0.5
X1: Top Overlay "1" at 42.228,44.355 h1.27 r270; Top Overlay "2" at 42.228,39.529 h1.27 r270
X2: Top Overlay "1" at 65.119,28.385 h1.27; Top Overlay "2" at 69.945,28.385 h1.27; Top Overlay "3" at 75.025,28.385 h1.27; Top Overlay "4" at 80.105,28.385 h1.27; Top Overlay "5" at 85.185,28.385 h1.27; Top Overlay "6" at 90.265,28.385 h1.27; Top Overlay "7" at 95.345,28.385 h1.27; Top Overlay "8" at 100.425,28.385 h1.27
X3: Top Overlay "1" at 125.317,28.385 h1.27; Top Overlay "2" at 130.143,28.385 h1.27; Top Overlay "3" at 135.223,28.385 h1.27; Top Overlay "4" at 140.303,28.385 h1.27; Top Overlay "5" at 145.383,28.385 h1.27; Top Overlay "6" at 150.463,28.385 h1.27; Top Overlay "7" at 155.543,28.385 h1.27; Top Overlay "8" at 160.623,28.385 h1.27